# KiCad board MiniCamel_V1.01.kicad_pcb
title: MiniCamel; date: 2025-06-05; rev: 1.01C; company: Matt Schultz aka 'SnipE'
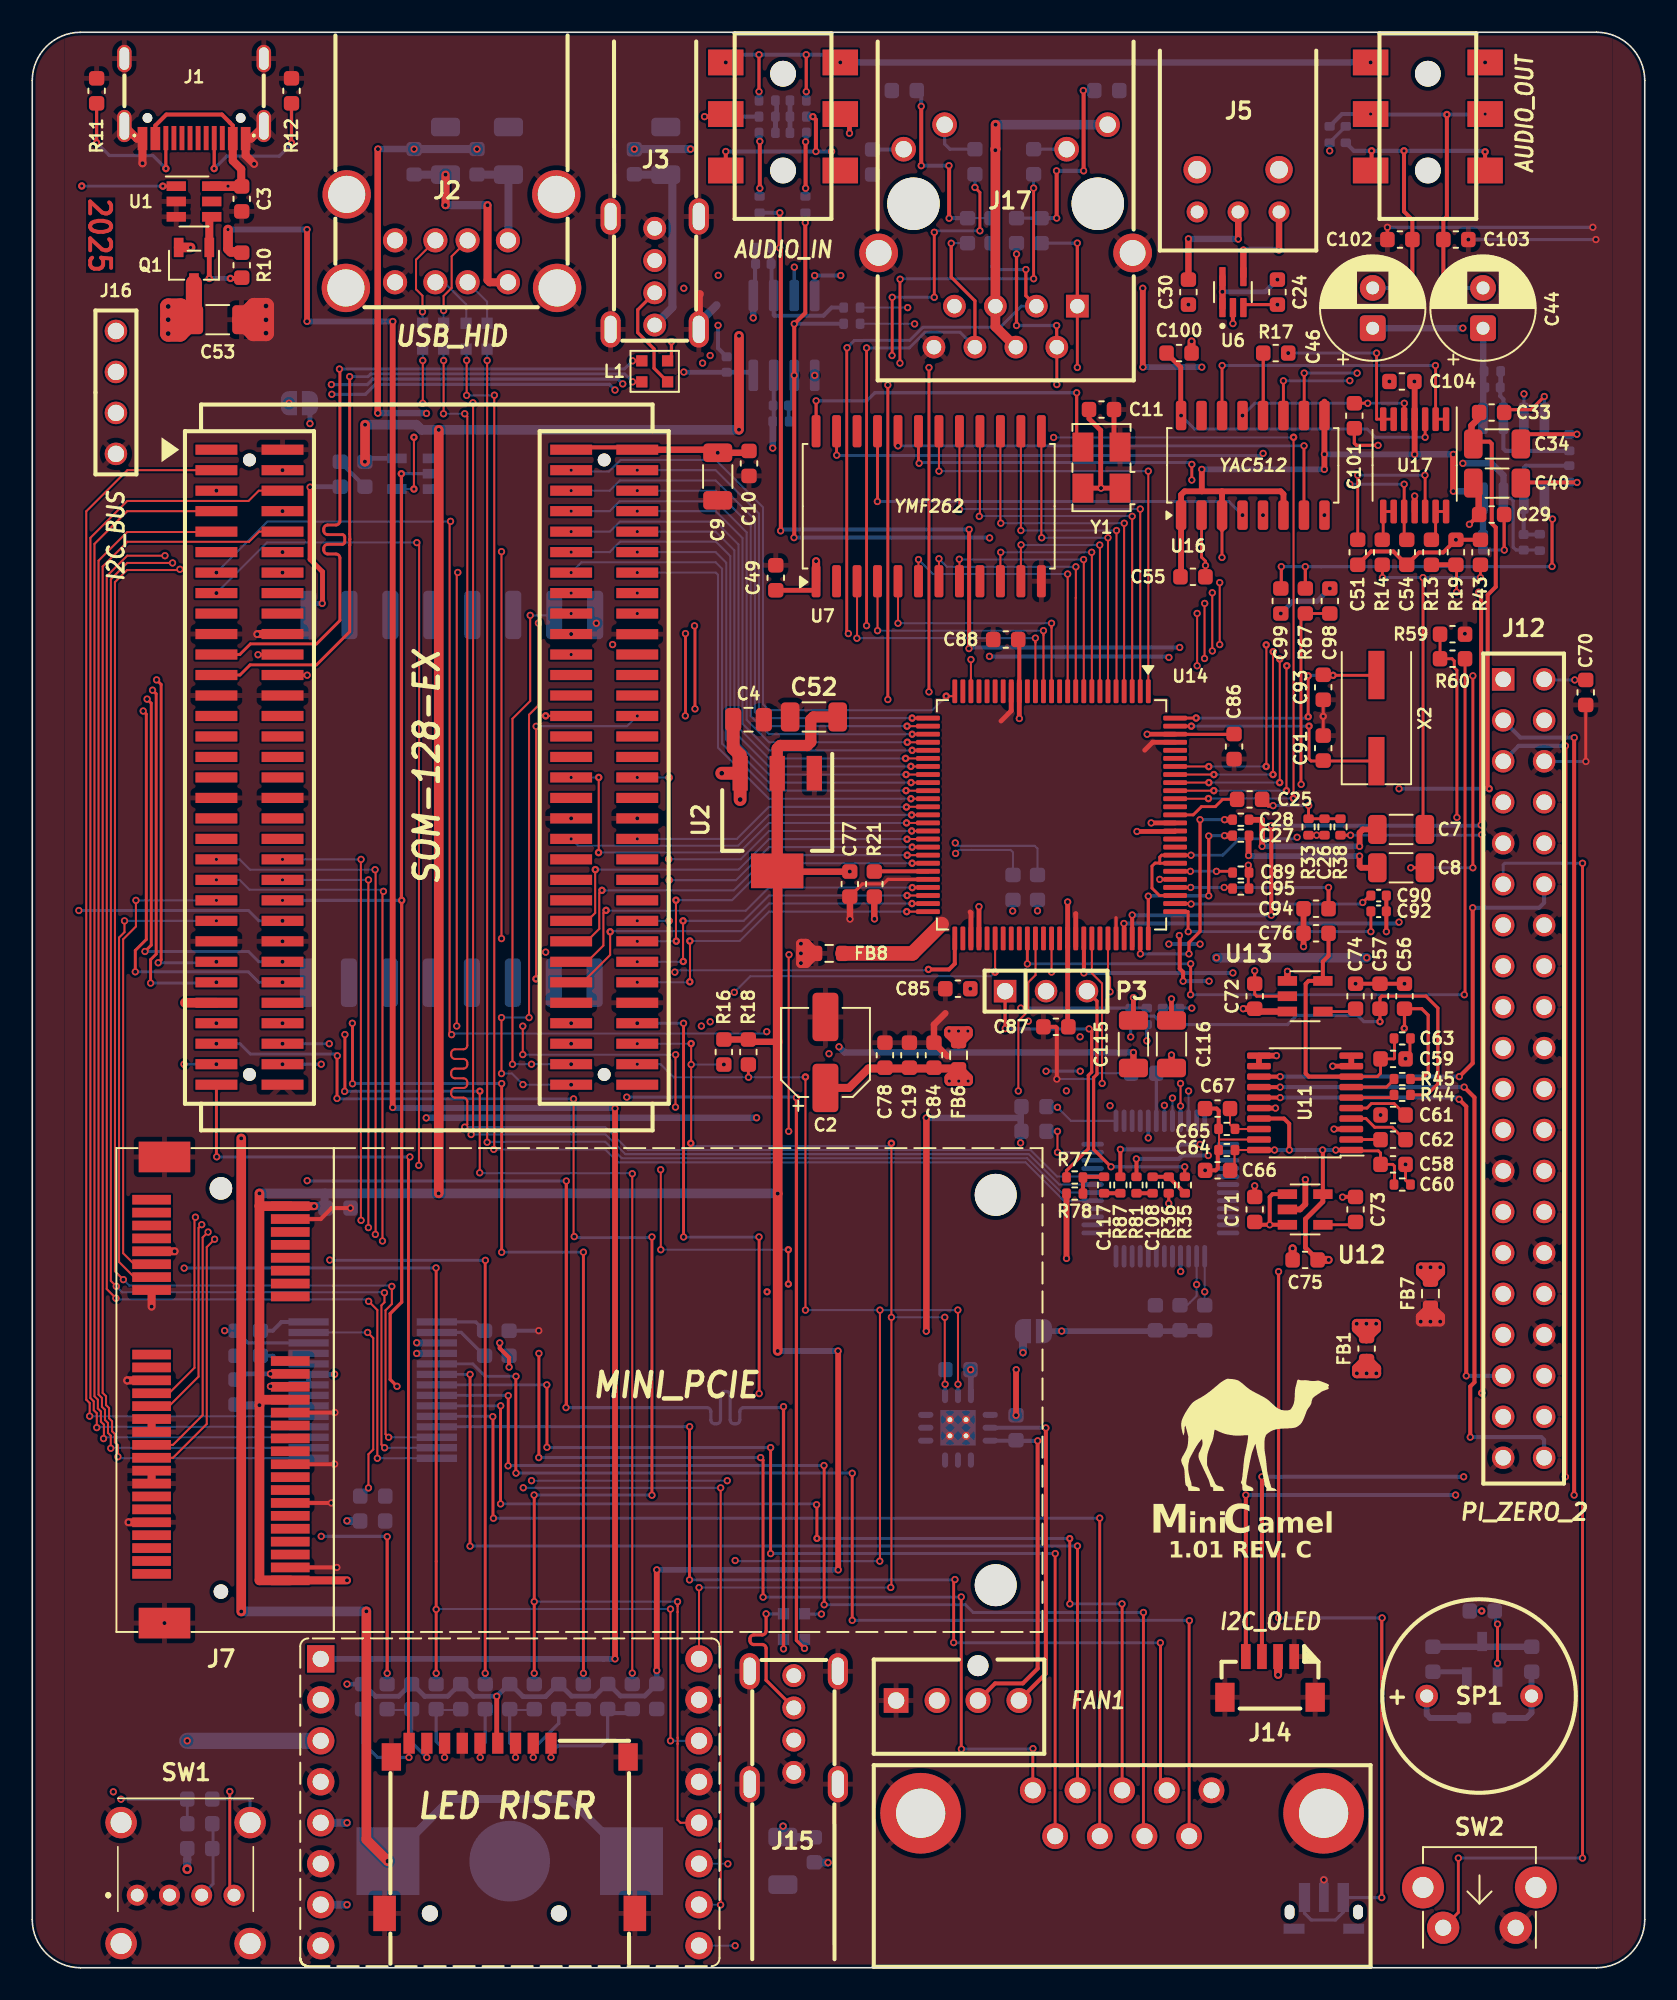
[diagram p0: board, top side]
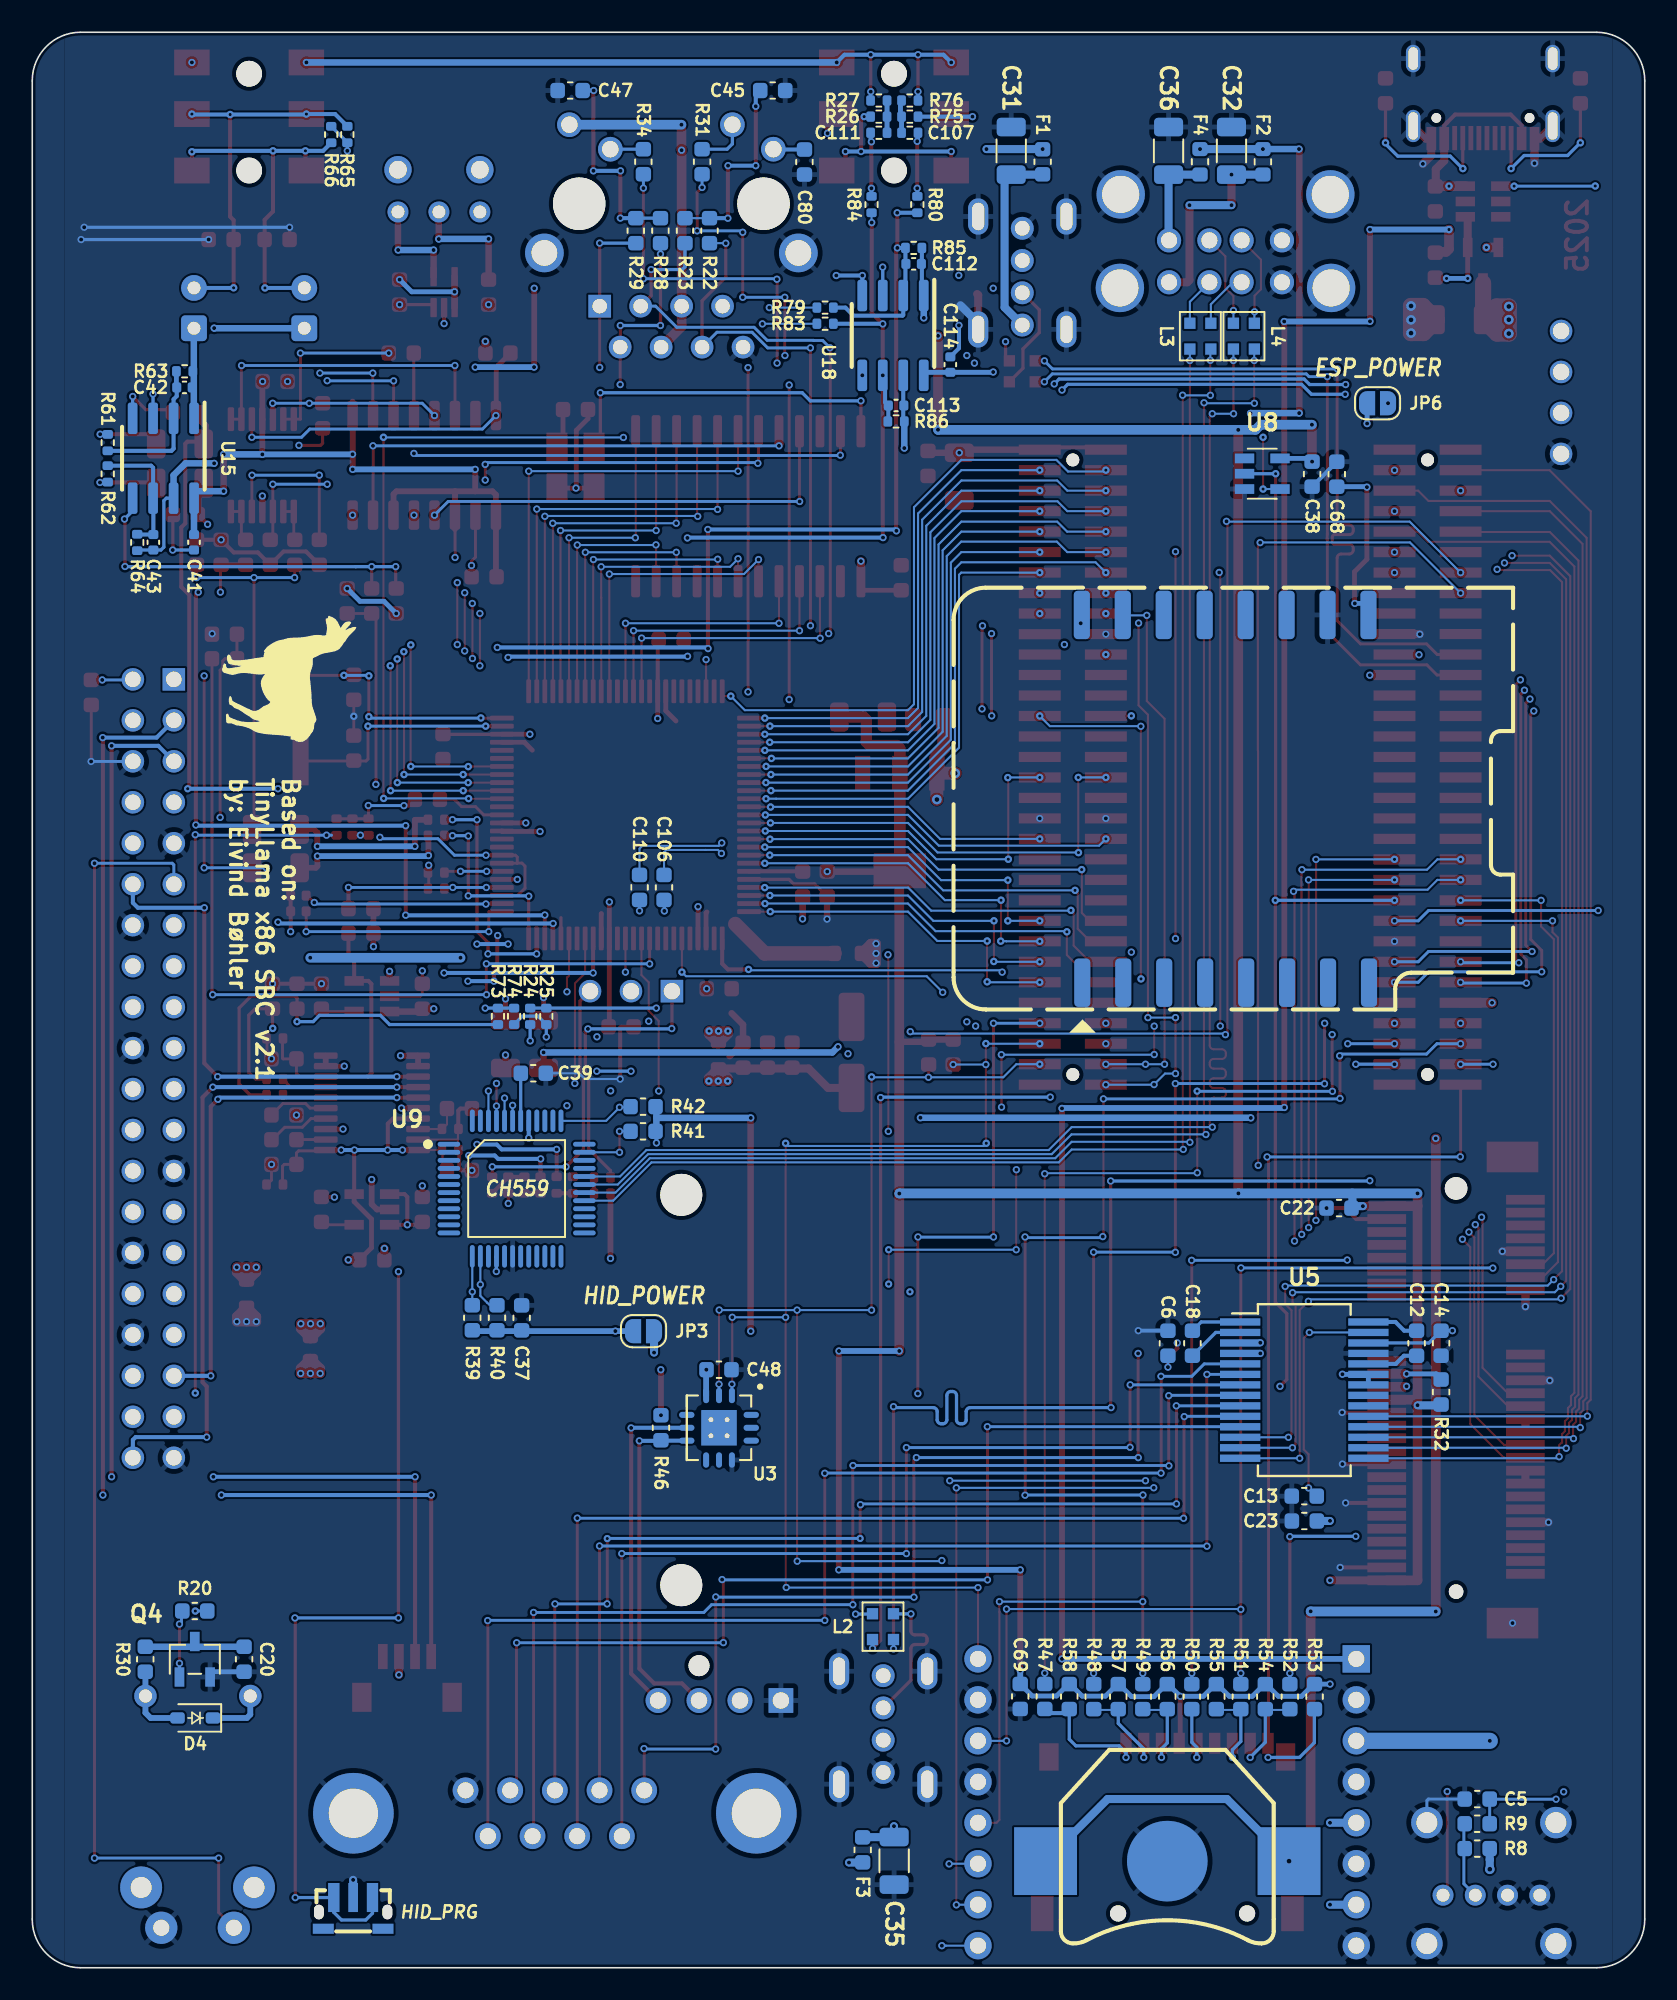
[diagram p1: board, bottom side, seen from below]

Outline 100 x 120 mm; copper layers: Top, In1.Cu (plane), In2.Cu (plane), Bottom. Coordinates in mm from the lower left corner of the outline.
Outline path: 3,120 arc(0.88,119.12) 0,117 0,3 arc(0.88,0.88) 3,0 97,0 arc(99.12,0.88) 100,3 100,117 arc(99.12,119.12) 97,120 3,120
Stack: Top 0.035mm / dielectric 0.2mm FR4 er 4.6 / In1.Cu 0.0175mm / dielectric 1.065mm FR4 er 4.6 / In2.Cu 0.0175mm / dielectric 0.2mm FR4 er 4.6 / Bottom 0.035mm

## Placement (name value [footprint] x y rotation side)
BT1  CR1220  [BT_MY-1220-03]  29.61 6.61 0 bottom
C2  33uF  [CP_Elec_5x5.4]  49.19 56.75 90 top
C3  0.1uF  [C_0603_1608Metric]  12.99 109.67 90 top
C4  10uF  [C_0805_2012Metric]  44.42 77.38 0 top
C5  10uF  [C_0603_1608Metric]  10.39 10.46 0 bottom
C6  0.1uF  [C_0603_1608Metric]  29.57 38.72 90 bottom
C7  1uF  [C_1206_3216Metric]  84.89 70.57 180 top
C8  1uF  [C_1206_3216Metric]  84.89 68.2 180 top
C9  47uF  [C_1206_3216Metric]  42.51 92.45 270 top
C10  0.1uF  [C_0603_1608Metric]  44.45 93.27 270 top
C11  0.1uF  [C_0603_1608Metric]  66.31 96.61 0 top
C12  0.1uF  [C_0603_1608Metric]  14.15 38.72 270 bottom
C13  0.1uF  [C_0603_1608Metric]  21.12 29.24 0 bottom
C14  0.1uF  [C_0603_1608Metric]  12.63 38.72 270 bottom
C18  0.1uF  [C_0603_1608Metric]  28.05 38.72 270 bottom
C19  100nF  [C_0603_1608Metric]  54.4 56.58 270 top
C20  10nF  [C_0603_1608Metric]  86.86 19.13 270 bottom
C22  0.1uF  [C_0603_1608Metric]  18.96 47.1 0 bottom
C23  0.1uF  [C_0603_1608Metric]  21.11 27.7 0 bottom
C24  0.1uF  [C_0603_1608Metric]  77.22 103.89 90 top
C25  0.1uF  [C_0603_1608Metric]  75.5 72.44 0 top
C26  2.7nF  [C_0402_1005Metric]  80.14 70.73 270 top
C27  1uF  [C_0402_1005Metric]  74.95 70.19 0 top
C28  1uF  [C_0402_1005Metric]  74.95 71.18 0 top
C29  1nF  [C_0603_1608Metric]  90.51 90.1 180 top
C30  0.1uF  [C_0603_1608Metric]  71.7 103.89 270 top
C31  47uF  [C_1206_3216Metric]  39.29 112.65 90 bottom
C32  47uF  [C_1206_3216Metric]  25.63 112.65 90 bottom
C33  1nF  [C_0603_1608Metric]  90.51 96.42 180 top
C34  1uF  [C_1206_3216Metric]  90.84 94.47 0 top
C35  47uF  [C_1206_3216Metric]  46.55 6.63 270 bottom
C36  47uF  [C_1206_3216Metric]  29.53 112.65 90 bottom
C37  0.1uF  [C_0603_1608Metric]  69.65 40.29 270 bottom
C38  0.1uF  [C_0603_1608Metric]  20.63 92.6 270 bottom
C39  3.3uF  [C_0603_1608Metric]  68.92 55.46 0 bottom
C40  1uF  [C_1206_3216Metric]  90.84 92.05 0 top
C41  100nF  [C_0402_1005Metric_no_outline]  89.97 88.38 90 bottom
C42  47pF  [C_0402_1005Metric_no_outline]  90.56 97.98 180 bottom
C43  47pF  [C_0402_1005Metric_no_outline]  92.49 88.38 270 bottom
C44  220uF  [CP_Radial_D6.3mm_P2.50mm]  89.97 101.65 90 top
C45  100nF  [C_0603_1608Metric]  54.08 116.39 180 bottom
C46  220uF  [CP_Radial_D6.3mm_P2.50mm]  83.13 101.65 90 top
C47  100nF  [C_0603_1608Metric]  66.64 116.39 0 bottom
C48  0.1uF  [C_0603_1608Metric]  57.41 37.08 180 bottom
C49  100nF  [C_0603_1608Metric]  46.11 86.18 90 top
C51  2.7nF  [C_0603_1608Metric]  82.2 87.76 270 top
C52  47uF  [C_1206_3216Metric]  48.47 77.55 180 top
C53  47uF  [C_1206_3216Metric]  11.5 102.18 0 top
C54  2.7nF  [C_0603_1608Metric]  85.24 87.76 270 top
C55  100nF  [C_0603_1608Metric]  71.98 86.24 180 top
C56  2.2nF  [C_0603_1608Metric]  85.1 60.23 270 top
C57  2.2nF  [C_0603_1608Metric]  83.58 60.23 270 top
C58  10uF  [C_0603_1608Metric]  84.39 49.81 0 top
C59  10uF  [C_0603_1608Metric]  84.39 56.35 0 top
C60  0.1uF  [C_0402_1005Metric]  84.96 48.56 0 top
C61  2.2uF  [C_0603_1608Metric]  84.39 52.87 0 top
C62  2.2uF  [C_0603_1608Metric]  84.39 51.34 0 top
C63  0.1uF  [C_0402_1005Metric]  84.96 57.62 0 top
C64  0.1uF  [C_0402_1005Metric]  74.08 50.7 180 top
C65  0.1uF  [C_0402_1005Metric]  74.08 52.01 0 top
C66  10uF  [C_0603_1608Metric]  73.51 49.44 180 top
C67  10uF  [C_0603_1608Metric]  73.5 53.27 0 top
C68  47uF  [C_0603_1608Metric]  19.1 92.6 90 bottom
C69  0.1uF  [C_0603_1608Metric]  38.73 16.82 270 bottom
C70  0.1uF  [C_0603_1608Metric]  96.34 79.07 270 top
C71  1uF  [C_0603_1608Metric]  75.81 47.01 90 top
C72  1uF  [C_0603_1608Metric]  75.81 60.23 90 top
C73  470pF  [C_0603_1608Metric]  82.06 47.01 90 top
C74  470pF  [C_0603_1608Metric]  82.06 60.23 90 top
C75  10uF  [C_0603_1608Metric]  78.94 43.89 180 top
C76  10uF  [C_0603_1608Metric]  79.61 64.14 180 top
C77  100nF  [C_0603_1608Metric]  50.7 67.19 270 top
C78  100nF  [C_0603_1608Metric]  52.88 56.58 270 top
C80  100nF  [C_0603_1608Metric]  52.11 111.95 270 bottom
C84  100nF  [C_0603_1608Metric]  55.92 56.58 270 top
C85  100nF  [C_0603_1608Metric]  57.4 60.7 180 top
C86  100nF  [C_0603_1608Metric]  74.53 75.71 270 top
C87  100nF  [C_0603_1608Metric]  63.48 58.34 180 top
C88  100nF  [C_0603_1608Metric]  60.37 82.35 180 top
C89  100nF  [C_0402_1005Metric]  74.95 67.9 180 top
C90  1nF  [C_0402_1005Metric_no_outline]  83.5 66.47 180 top
C91  22pF  [C_0603_1608Metric]  80.06 75.62 270 top
C92  1nF  [C_0402_1005Metric_no_outline]  83.5 65.5 180 top
C93  22pF  [C_0603_1608Metric]  80.06 79.39 90 top
C94  1uF  [C_0603_1608Metric_no_outline]  79.61 65.66 180 top
C95  100nF  [C_0402_1005Metric]  74.95 66.91 0 top
C98  100nF  [C_0603_1608Metric]  80.47 84.74 270 top
C99  1uF  [C_0603_1608Metric]  77.43 84.74 270 top
C100  10uF  [C_0603_1608Metric_no_outline]  71.12 100.11 180 top
C101  68pF  [C_0603_1608Metric]  81.99 96.22 270 top
C102  100pF  [C_0603_1608Metric]  84.81 107.15 180 top
C103  100pF  [C_0603_1608Metric]  88.28 107.15 0 top
C104  100nF  [C_0603_1608Metric]  84.94 98.35 0 top
C106  1uF  [C_0603_1608Metric]  60.82 66.98 90 bottom
C107  1uF  [C_0402_1005Metric]  45.58 113.77 180 bottom
C108  1uF  [C_0402_1005Metric]  69.48 48.53 270 top
C110  1uF  [C_0603_1608Metric]  62.34 66.98 90 bottom
C111  1uF  [C_0402_1005Metric]  47.5 113.77 0 bottom
C112  47pF  [C_0402_1005Metric_no_outline]  45.34 105.64 0 bottom
C113  47pF  [C_0402_1005Metric_no_outline]  46.43 96.86 180 bottom
C114  100nF  [C_0402_1005Metric_no_outline]  43.06 99.4 270 bottom
C115  1uF  [C_1206_3216Metric]  68.29 57.26 90 top
C116  1uF  [C_1206_3216Metric]  70.65 57.26 90 top
C117  1uF  [C_0402_1005Metric]  66.47 48.53 270 top
D4  1N4148  [D_SOD-323F]  89.89 15.49 0 bottom
F1  F  [F_0603_1608Metric]  37.34 111.97 270 bottom
F2  F  [Fuse_0603_1608Metric_no_outline]  23.68 111.97 270 bottom
F3  F  [F_0603_1608Metric]  48.5 7.31 90 bottom
F4  F  [Fuse_0603_1608Metric_no_outline]  27.58 111.97 270 bottom
FB1  600Ω@100MHz  [R_0603_1608Metric]  82.75 38.39 90 top
FB6  600Ω@100MHz  [R_0603_1608Metric_no_outline]  57.45 56.57 90 top
FB7  100Ω@100MHz  [R_0603_1608Metric_no_outline]  86.71 41.79 90 top
FB8  100Ω@100MHz  [R_0603_1608Metric_no_outline]  49.42 62.89 0 top
G***  LOGO  [minicamel]  75.83 33.03 0 top
J1  J_USB_C  [J_USB_TYPE-C-31-M-12]  10.04 113.62 180 top
J2  USB_HID  [USB-A_2P_STACKED]  26 105.8 180 top
J3  USB_1  [USB-A_1P_VERTICAL]  41.93 100.93 180 top
J5  J_TOSLINK_ZGY133T10  [TOSLINK_ZGY133T10]  74.78 108.86 0 top
J6  AUDIO_OUT  [J_AUDIO35_C95463]  86.55 114.93 0 top
J7  MINI_PCIE  [J_MINI_PCIE]  11.7 48.32 270 top
J8  -  [P_DE9M]  62.05 11 180 top
J9  Conn_01x06  [MiniCamel_Riser_8p]  29.34 13.61 0 top
J10  AUDIO_IN  [J_AUDIO35_C95463]  46.56 114.93 0 top
J11  ESP8266 MODULE  [J_WEMOS_D1_MINI_CAS]  25.98 72.47 0 bottom
J12  PI_ZERO_2  [J_CONN_RPI]  92.49 55.75 0 top
J13  MICRO_SD  [MicroSD_TF01A_overhang]  29.61 6.67 0 top
J14  I2C_OLED  [J_JST_BM04B-SRSS-TB]  76.76 16.77 180 top
J15  USB_2  [USB-A_1P_VERTICAL]  43.9 19.03 0 top
J16  I2C_BUS  [J_CONN_01X04]  5.19 97.67 90 top
J17  Wuerth Elektronik 7499010211A  [NIC_single_port_TH]  61 109.37 0 top
JP3  HID_POWER  [SolderJumper-2_P1.3mm_Open_RoundedPad1.0x1.5mm]  62.09 39.47 0 bottom
JP6  ESP_POWER  [SolderJumper-2_P1.3mm_Open_RoundedPad1.0x1.5mm]  16.57 97 0 bottom
L1  L_EMI_FILTER  [L_EMI_FILTER_MCM2012B900GBE]  38.6 98.98 180 top
L2  L_EMI_FILTER  [L_EMI_FILTER_MCM2012B900GBE]  47.24 21.15 270 bottom
L3  L_EMI_FILTER  [L_EMI_FILTER_MCM2012B900GBE]  27.56 101.16 90 bottom
L4  L_EMI_FILTER  [L_EMI_FILTER_MCM2012B900GBE]  24.86 101.16 90 bottom
LOGO2  Llama_logo  [LLAMA_LOGO]  77.9 88.03 270 bottom
P1  SOM-128-EX  [P_CONN_SOM-128-EX]  13.47 94.12 0 top
P2  FAN1  [J_MOLEX_47053-1000]  53.57 16.57 180 top
P3  P_CONN_01X03  [P_CONN_01X03_SQUARE]  62.87 60.55 0 top
Q1  Q_PMOS_GDS  [Q_PFET_ENH_SOT-23-3]  10.03 105.56 90 top
Q4  NPN  [Q_BJT_SOT-23-3]  89.92 19.13 270 bottom
R8  10k  [R_0603_1608Metric]  10.39 7.39 0 bottom
R9  470  [R_0603_1608Metric]  10.39 8.93 0 bottom
R10  47k  [R_0603_1608Metric]  12.99 105.56 90 top
R11  5.1k  [R_0603_1608Metric]  3.99 116.37 90 top
R12  5.1k  [R_0603_1608Metric]  16.08 116.37 90 top
R13  6.8k  [R_0603_1608Metric]  86.77 87.76 90 top
R14  6.8k  [R_0603_1608Metric]  83.72 87.76 90 top
R16  4.7k  [R_0603_1608Metric]  42.89 56.77 90 top
R17  33  [R_0603_1608Metric]  77.11 100.11 180 top
R18  4.7k  [R_0603_1608Metric]  44.41 56.77 90 top
R19  8.2k  [R_0603_1608Metric]  88.29 87.76 270 top
R20  1k  [R_0603_1608Metric]  89.92 22.12 0 bottom
R21  10  [R_0603_1608Metric]  52.22 67.19 270 top
R22  49.9  [R_0603_1608Metric]  58 107.7 270 bottom
R23  49.9  [R_0603_1608Metric]  59.52 107.7 270 bottom
R24  6.8k  [R_0402_1005Metric]  69.12 58.99 90 bottom
R25  6.8k  [R_0402_1005Metric]  68.12 58.99 90 bottom
R26  6.8k  [R_0402_1005Metric]  45.58 114.77 0 bottom
R27  6.8k  [R_0402_1005Metric]  45.58 115.77 0 bottom
R28  49.9  [R_0603_1608Metric]  61.04 107.7 270 bottom
R29  49.9  [R_0603_1608Metric]  62.57 107.7 270 bottom
R30  33  [R_0603_1608Metric]  92.99 19.13 270 bottom
R31  1k  [R_0603_1608Metric]  58.46 111.97 90 bottom
R32  4.7k  [R_0603_1608Metric]  12.63 35.69 270 bottom
R33  4.7k  [R_0402_1005Metric]  79.15 70.73 270 top
R34  1k  [R_0603_1608Metric]  62.1 111.97 90 bottom
R35  6.8k  [R_0402_1005Metric]  71.48 48.53 270 top
R36  6.8k  [R_0402_1005Metric]  70.48 48.53 90 top
R38  47k  [R_0402_1005Metric]  81.13 70.73 90 top
R39  4.7k  [R_0603_1608Metric]  72.71 40.3 270 bottom
R40  4.7k  [R_0603_1608Metric]  71.18 40.3 270 bottom
R41  4.7k  [R_0603_1608Metric]  62.12 51.86 180 bottom
R42  4.7k  [R_0603_1608Metric]  62.12 53.39 180 bottom
R43  8.2k  [R_0603_1608Metric]  89.81 87.76 270 top
R44  470  [R_0402_1005Metric]  84.96 54.12 0 top
R45  470  [R_0402_1005Metric]  84.96 55.1 0 top
R46  10k  [R_0603_1608Metric]  61.01 33.48 90 bottom
R47  33  [R_0603_1608Metric]  37.21 16.82 90 bottom
R48  33  [R_0603_1608Metric]  34.17 16.81 90 bottom
R49  33  [R_0603_1608Metric]  31.13 16.81 90 bottom
R50  0  [R_0603_1608Metric]  28.09 16.81 90 bottom
R51  33  [R_0603_1608Metric]  25.05 16.81 90 bottom
R52  33  [R_0603_1608Metric]  22.01 16.81 90 bottom
R53  47k  [R_0603_1608Metric]  20.48 16.81 270 bottom
R54  47k  [R_0603_1608Metric]  23.53 16.81 270 bottom
R55  47k  [R_0603_1608Metric]  26.57 16.81 270 bottom
R56  47k  [R_0603_1608Metric]  29.61 16.81 270 bottom
R57  47k  [R_0603_1608Metric]  32.65 16.81 270 bottom
R58  47k  [R_0603_1608Metric]  35.69 16.81 270 bottom
R59  20k  [R_0603_1608Metric]  88.08 82.68 0 top
R60  10k  [R_0603_1608Metric]  88.08 81.16 180 top
R61  27k  [R_0402_1005Metric_no_outline]  95.32 94.56 90 bottom
R62  27k  [R_0402_1005Metric_no_outline]  95.32 92.62 270 bottom
R63  39k  [R_0402_1005Metric_no_outline]  90.55 98.98 0 bottom
R64  39k  [R_0402_1005Metric_no_outline]  93.49 88.37 90 bottom
R65  1k  [R_0402_1005Metric_no_outline]  80.46 113.66 270 bottom
R66  1k  [R_0402_1005Metric_no_outline]  81.46 113.66 90 bottom
R67  2.2k  [R_0603_1608Metric]  78.95 84.74 270 top
R73  6.8k  [R_0402_1005Metric]  71.12 58.99 90 bottom
R74  6.8k  [R_0402_1005Metric]  70.12 58.99 90 bottom
R75  6.8k  [R_0402_1005Metric]  47.5 114.77 180 bottom
R76  6.8k  [R_0402_1005Metric]  47.5 115.77 180 bottom
R77  6.8k  [R_0402_1005Metric]  64.65 49 0 top
R78  6.8k  [R_0402_1005Metric]  64.65 48 0 top
R79  10k  [R_0402_1005Metric]  50.83 102.93 180 bottom
R80  10k  [R_0402_1005Metric]  45.11 109.32 270 bottom
R81  10k  [R_0402_1005Metric]  68.48 48.53 90 top
R83  10k  [R_0402_1005Metric]  50.83 101.93 180 bottom
R84  10k  [R_0402_1005Metric]  47.95 109.32 270 bottom
R85  10k  [R_0402_1005Metric]  45.34 106.63 180 bottom
R86  10k  [R_0402_1005Metric]  46.43 95.87 180 bottom
R87  10k  [R_0402_1005Metric]  67.48 48.53 90 top
SP1  PC SPEAKER  [SP]  89.73 16.85 0 top
SW1  PWR/RST  [TL53EF160Q]  6.51 4.5 0 top
SW2  SYNTH  [SW-right_angle]  89.75 3.73 0 top
SW5  HID_PRG  [SW_C2859426]  80.1 3.45 180 bottom
U1  U_MAX16054  [U_TSOT-23-6]  10.03 109.51 0 top
U2  U_AMS1117-3.3  [U_SOT-223-3]  46.2 71.16 270 top
U3  EMC2303  [U_EMC2303]  57.41 33.48 270 bottom
U5  U_MAX3243  [U_SSOP-28_5.3x10.2mm_P0.65mm_HandSoldering]  21.12 35.81 180 bottom
U6  U_74LVC1G126  [SC70-5]  74.46 103.89 90 top
U7  YMF262  [SOP-24_7.5x15.4mm_P1.27mm]  55.59 90.61 90 top
U8  U_74LVC1G04  [U_SOT-23-5]  23.72 92.63 180 bottom
U9  CH559  [U_QFP-12x12_14x14_Pitch0.5mm]  69.96 48.31 180 bottom
U11  PCM5102A  [TSSOP-20_4.4x6.5mm_P0.65mm]  78.94 53.62 180 top
U12  U_MIC5219-3.3YM5  [U_SOT-23-5]  78.94 47.01 0 top
U13  U_MIC5219-3.3YM5  [U_SOT-23-5]  78.94 60.23 0 top
U14  CS4237B-KQ  [TQFP-100_14x14mm_P0.5mm]  63.21 71.48 270 top
U15  OPA1656  [U_SOIC-8_3.9x4.9mm_P1.27mm]  91.87 93.59 270 bottom
U16  YAC512  [SOP-16_4.4x10.4mm_P1.27mm]  75.69 93.15 90 top
U17  TL074  [U_TSSOP-14_4.4x5mm_P0.65mm]  85.73 93.15 270 top
U18  OPA1656  [U_SOIC-8_3.9x4.9mm_P1.27mm]  46.62 101.2 270 bottom
X2  16.9344MHz  [X_Crystal_SMD_HC49S-MINI]  83.36 77.48 90 top
Y1  14.318MHz  [XO_SMD5032]  66.31 93.01 90 top

## Library data of the parts
BT1 = -: LCSC: C964745; Label: RTC BATTERY
C3 C5 C6 C10-C14 C18 C20 C22 C23 C38 C39 C48 C56-C59 C61 C62 C66-C69 C71-C76 F1 R8-R12 R16 R18 R20 R30 R32 R39-R42 R46-R60 = -: Note: Hold@1A; Note2: Trip@1.8A; LCSC: C207017
C19 C41 C49 C55 C77 C78 C84-C89 C95 C98 C104 C114 = -: LCSC: C1525
C24-C28 C30 C60 C63-C65 R44 R45 = -: LCSC: C11702
C29 C33 = -: Description: C0G; Note: Hold@1A; Note2: Trip@1.8A; LCSC: C76947
C31 C35 = -: LCSC: C96123
C34 C40 C44 C46 C94 = -: Description: ELEC
C37 = -: Note: Hold@1A; Note2: Trip@1.8A; LCSC: C14663
C42 C43 C112 C113 = -: Description: C0G; LCSC: C3843411
C45 C47 C80 = -: Description: C_0603_SMD_HandSolder; Note: Hold@1A; Note2: Trip@1.8A; LCSC: C207017; ki_fp_filters: C_*
C51 C54 = -: LCSC: C327272
C70 = -: Description: Unpolarized capacitor, small symbol; Note: Hold@1A; Note2: Trip@1.8A; LCSC: C207017; ki_fp_filters: C_*
C90 C92 = -: LCSC: C76947; Note: C0G
C91 C93 = -: Description: C0G; LCSC: C76960
C99 = -: LCSC: C77009
C100 = -: LCSC: C344022
C101 = -: LCSC: C389103
C102 C103 = -: LCSC: C277520
C106 C110 = -: Description: ELEC; Note: Hold@1A; Note2: Trip@1.8A; LCSC: LCSC:C494805
C107 C115 = -: Description: ELEC; LCSC: LCSC:C494805
C108 = -: Description: ELEC; LCSC: LCSC:C494805; Note: Hold@1A; Note2: Trip@1.8A
C111 C117 = -: LCSC: LCSC:C494805
D4 = -: LCSC: C2128
F2 F4 = -: Note: Hold@1A; Note2: Trip@1.8A
F3 = -: Description: F_0603_SMD_HandSolder; Note: Hold@1A; Note2: Trip@1.8A; LCSC: C207017
FB1 = -: Note2: Trip@1.8A; LCSC: C207017
FB6 = -: Description: Ferrite bead, small symbol; LCSC: C160977; ki_fp_filters: Inductor_* L_* *Ferrite*
FB7 FB8 = -: Description: Ferrite bead, small symbol; LCSC: C107332; ki_fp_filters: Inductor_* L_* *Ferrite*
J1 = -: ki_fp_filters: USB*C*Receptacle*
J2 = -: ki_fp_filters: USB*
J3 J15 = -: Datasheet: http://www.molex.com/webdocs/datasheets/pdf/en-us/0482040001_IO_CONNECTORS.pdf; Description: USB A Upright PCB Receptacle Right Angle; Mouser Part Number: 538-48204-0001; Mouser Price/Stock: https://www.mouser.co.uk/ProductDetail/Molex/48204-0001?qs=c2CV6XM0Dwd8BXtKHguv8w%3D%3D; Manufacturer_Name: Molex; Manufacturer_Part_Number: 48204-0001; LCSC: C505247; Label_Bottom: SOM
J5 = -: LCSC: C277782
J6 J10 = -: Part Number: LCSC:C95463; ki_fp_filters: Jack*
J9 = -: Description: Generic connector, single row, 01x16, script generated (kicad-library-utils/schlib/autogen/connector/); Note: Hold@1A; Note2: Trip@1.8A; LCSC: C2128; PARTREV: D; STANDARD: Manufacturer Recommendations; MAXIMUM_PACKAGE_HEIGHT: 1mm; MANUFACTURER: Lite-On Inc.; Label: HDD CLICKER; ki_fp_filters: Connector*:*_1x??_*
J11 = -: Description: WeMos D1 mini
J12 = -: LCSC: C3975165
J13 = -: LCSC: C91145; ki_fp_filters: microSD*
J14 J16 = -: LCSC: C160404
J17 = -: MF: Wurth Elektronik; Description_1: 10/100BASE-TX, THT, 1x1, Tab-down, without shield tabs, LED L: green, LED R: yellow, 0+70°C, for current & voltage mode PHYs; Package: None; Price: None; SnapEDA_Link: https://www.snapeda.com/parts/7499010211A/Wurth+Elektronik/view-part/?ref=snap; MP: 7499010211A; Purchase-URL: https://www.snapeda.com/api/url_track_click_mouser/?unipart_id=4900569&manufacturer=Wurth Elektronik&part_name=7499010211A&search_term=None; Availability: In Stock; Check_prices: https://www.snapeda.com/parts/7499010211A/Wurth+Elektronik/view-part/?ref=eda
JP3 JP6 = -: Description: Jumper, 2-pole, closed/bridged; ki_fp_filters: Jumper* TestPoint*2Pads* TestPoint*Bridge*
L1 L2 = -: Description: EMI Filter; LCSC: C315725
L3 L4 = -: LCSC: C315725
P2 = -: Datasheet: https://datasheet.lcsc.com/lcsc/1811051309_MOLEX-470531000_C240840.pdf; LCSC: C240840
Q4 = -: LCSC: C2146
R13 R14 R24-R27 R35 R36 R73-R78 = -: LCSC: C93940
R17 R21 = -: LCSC: C138002
R19 R43 = -: LCSC: C137929
R22 R23 R28 R29 R31 R34 = -: Description: R_0603_SMD_HandSolder; Note: Hold@1A; Note2: Trip@1.8A; LCSC: C207017; ki_fp_filters: R_*
R61 R62 = -: Description: 0.1%; LCSC: C723421
R63 R64 = -: Description: 0.1%; LCSC: C2692983
R65 R66 = -: LCSC: C144051
R67 = -: LCSC: C114762
R79-R81 R83-R87 = -: Description: 0.1%; LCSC: C190095
SP1 = -: LCSC: C252917
SW1 = -: Datasheet: https://configured-product-images.s3.amazonaws.com/2D/specs/TL53EF160Q.pdf; Description: TACT, 50mA, 12VDC SPST-NO, Off-(On) Through Hole, Right Angle; Height: 22.6; Mouser Part Number: 612-TL53EF160Q; Mouser Price/Stock: https://www.mouser.co.uk/ProductDetail/E-Switch/TL53EF160Q/?qs=QtyuwXswaQiWGXqUDT8ihA%3D%3D; Manufacturer_Name: E-Switch; Manufacturer_Part_Number: TL53EF160Q
SW2 = -: Datasheet: https://configured-product-images.s3.amazonaws.com/2D/specs/TL53EF160Q.pdf; Description: TACT, 50mA, 12VDC SPST-NO, Off-(On) Through Hole, Right Angle; STANDARD: Manufacturer Recommednation; Height: 22.6; Mouser Part Number: 612-TL53EF160Q; Mouser Price/Stock: https://www.mouser.co.uk/ProductDetail/E-Switch/TL53EF160Q/?qs=QtyuwXswaQiWGXqUDT8ihA%3D%3D; Manufacturer_Name: E-Switch; Manufacturer_Part_Number: TL53EF160Q
U2 = -: ki_fp_filters: SOT?223*TabPin2*
U3 = -: LCSC: C621414
U6 = -: Datasheet: http://www.ti.com/lit/sg/scyt129e/scyt129e.pdf; LCSC: C7834; ki_fp_filters: SOT* SG-*
U9 = -: Part Number: LCSC:C150548
U11 = -: LCSC: C107671
U12 U13 = -: LCSC: C29613; ki_fp_filters: SOT?23*
U15 U18 = -: Description: Dual Operational Amplifier, SOP-8; LCSC: C1849431; ki_fp_filters: SOIC*3.9x4.9mm*P1.27mm* DIP*W7.62mm* TO*99* OnSemi*Micro8* TSSOP*3x3mm*P0.65mm* TSSOP*4.4x3mm*P0.65mm* MSOP*3x3mm*P0.65mm* SSOP*3.9x4.9mm*P0.635mm* LFCSP*2x2mm*P0.5mm* *SIP* SOIC*5.3x6.2mm*P1.27mm*
U17 = -: LCSC: C96507; ki_fp_filters: SOIC*3.9x8.7mm*P1.27mm* DIP*W7.62mm* TSSOP*4.4x5mm*P0.65mm* SSOP*5.3x6.2mm*P0.65mm* MSOP*3x3mm*P0.5mm*
X2 = -: LCSC: C4944017
Y1 = -: LCSC: C387230; ki_fp_filters: Oscillator*SMD*SeikoEpson*SG8002LB*5.0x3.2mm*